# KiCad board AmigaPCI Mainboard.kicad_pcb (continued)
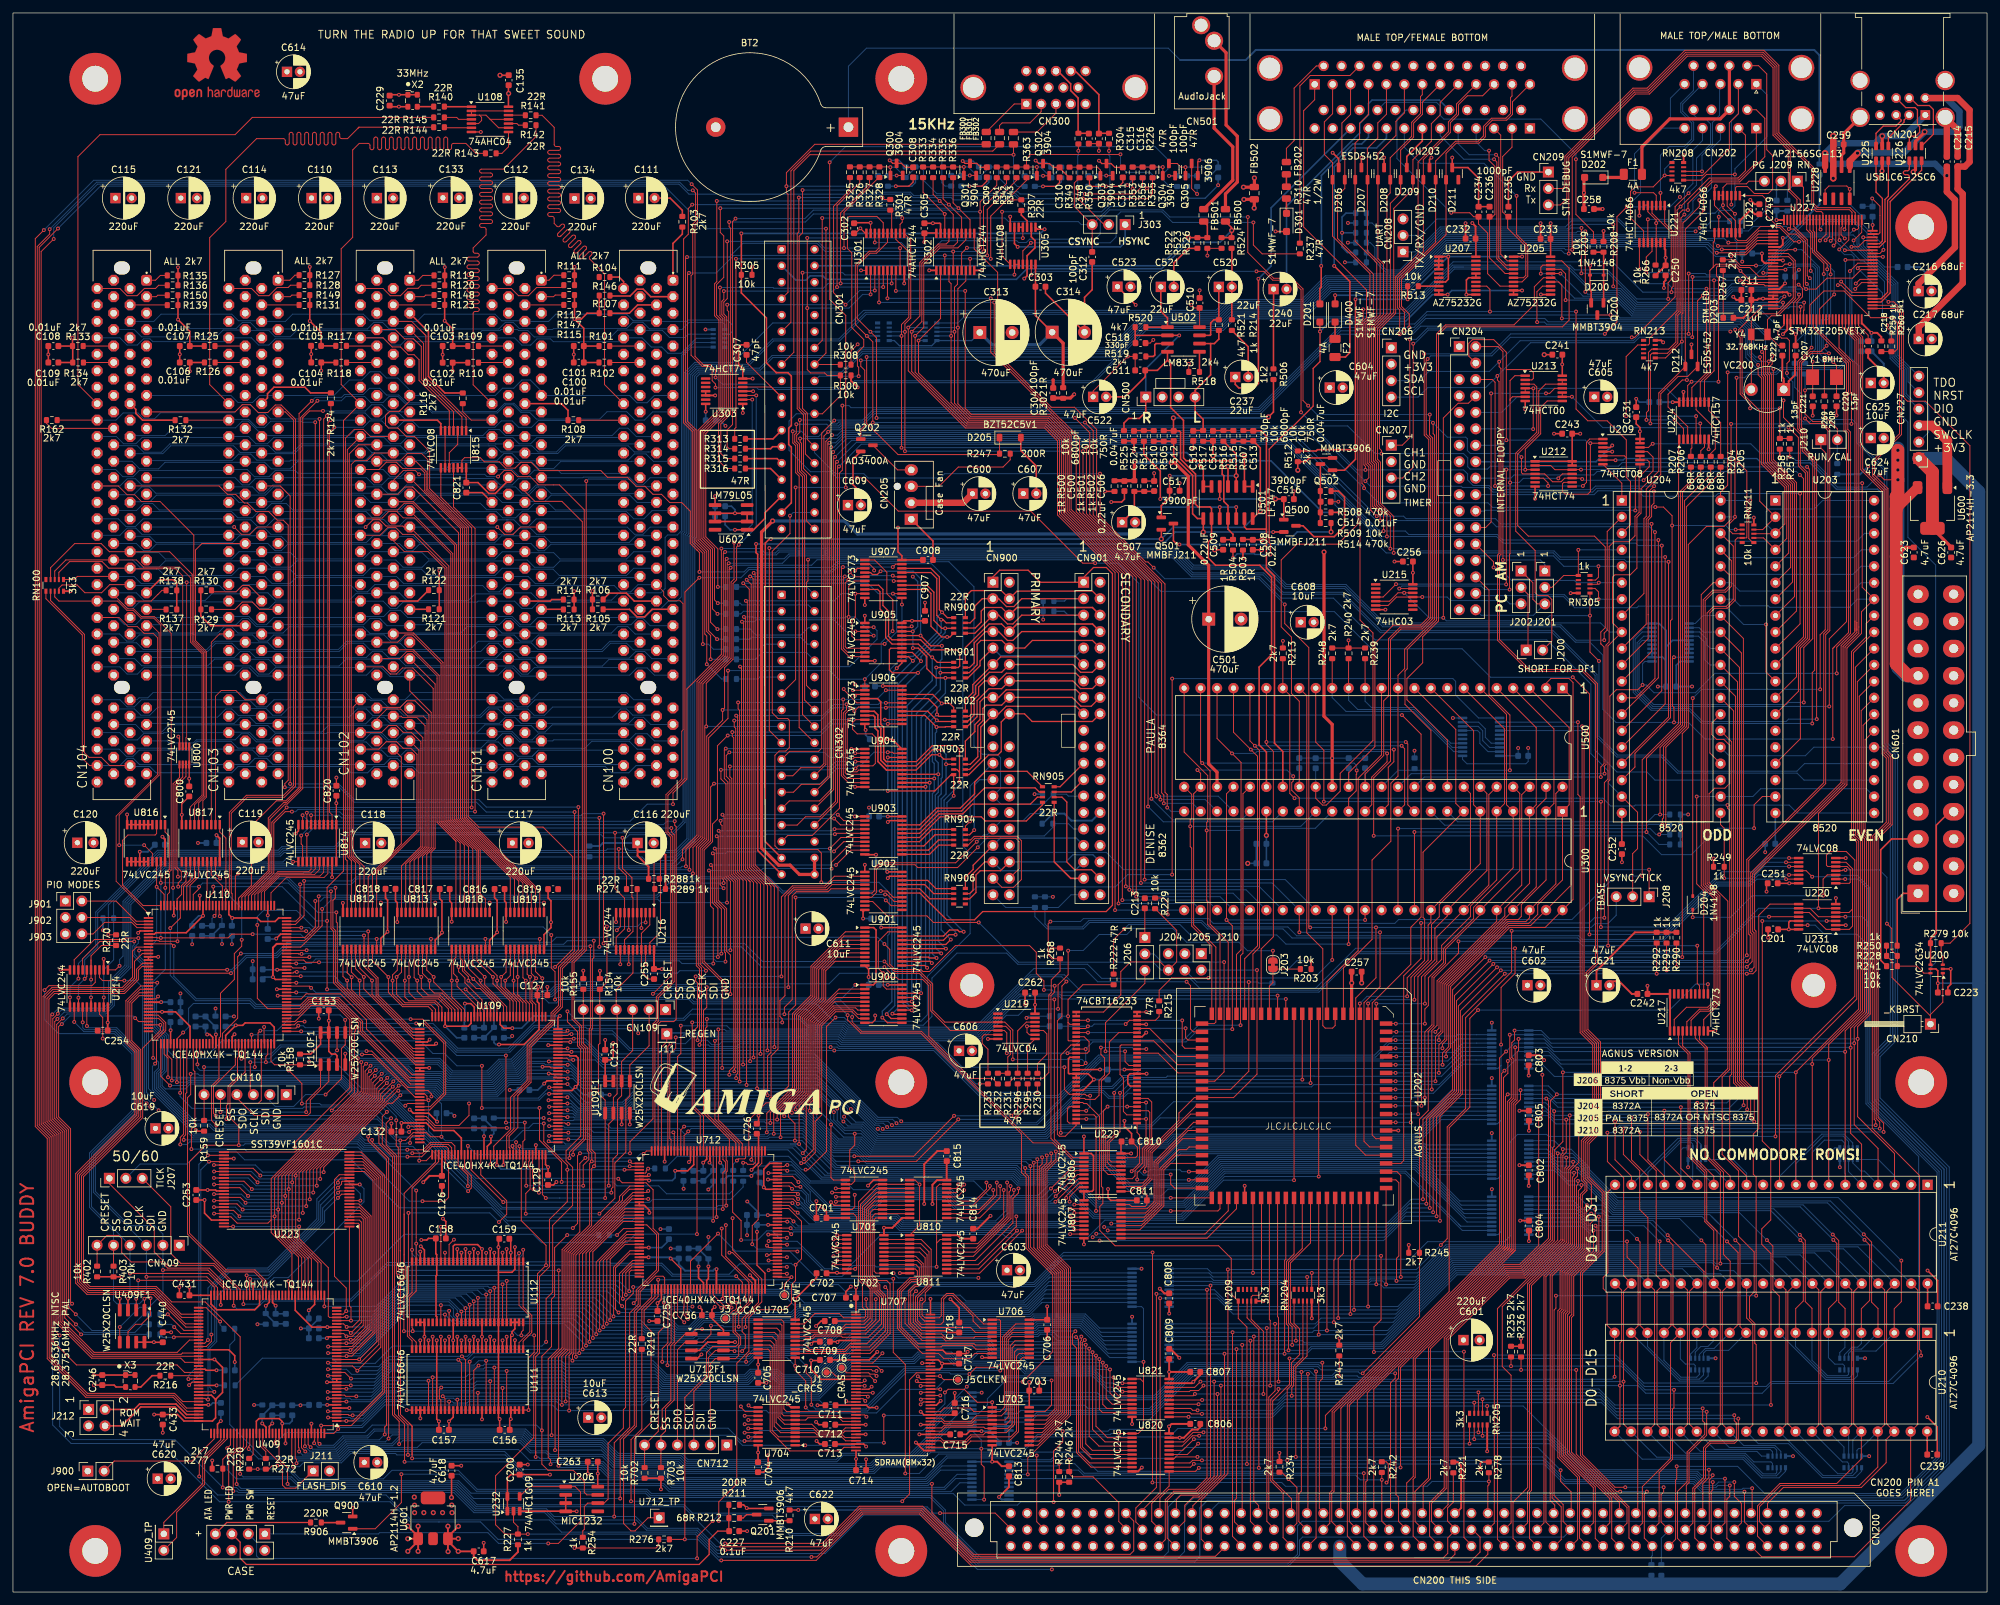
[diagram p0: board, top side]
## Nets (continued)
LVD25: U109.99 U223.32 U409.39 U702.12 U823.3 U904.5 U906.9
LVD26: U109.101 U223.34 U409.41 U702.13 U823.4 U904.7 U906.15
LVD27: U109.102 U223.36 U409.42 U702.14 U823.5 U904.9 U906.19
LVD28: U109.104 U223.39 U409.43 U702.15 U823.6 U905.2 U907.2
LVD29: U109.105 U223.41 U409.44 U702.16 U823.7 U905.4 U907.6
LVD30: U109.106 U223.43 U409.45 U702.17 U823.8 U905.6 U907.12
LVD31: U109.107 U223.45 U409.47 U702.18 U823.9 U905.8 U907.16
LVDRA0-G: U712.102 U806.7
LVDRA1-0: U712.101 U806.8
LVDRA2-1: U712.99 U806.9
LVDRA3-2: U712.98 U807.2
LVDRA4-3: U712.97 U807.3
LVDRA5-4: U712.96 U807.4
LVDRA6-5: U712.95 U807.5
LVDRA7-6: U712.91 U807.6
LVDRA8-7: U712.90 U807.7
LVDRA9-8: U712.106 U806.4
LVOVL: U409.83 U814.11
LVPARITY: U110.144 U816.3
LVSIZ0: U110.17 U712.2 U809.8
LVSIZ1: U110.18 U712.1 U808.2
LVTM0: U409.136 U808.3
LVTM1: U409.137 U808.6
LVTM2: U409.141 U808.9
LVTT0: U110.31 U409.138 U808.7
LVTT1: U110.32 U409.139 U808.8
M0H: R204.2 R311.2 U300.9
M0V: R205.2 R309.2 U300.38
M1H: R206.2 R303.2 U300.8
M1V: R207.2 R312.2 U300.39
OVL: U204.2 U814.9
PAR: CN100.A43 CN101.A43 CN102.A43 CN103.A43 CN104.A43 U816.17
PAR_DA: U109.15 U110.83
PARITYDIR: U109.34 U816.1
PBUSY: CN203.11 CN302.18 D210.1 RN211.9 U203.2 U203.39
PCI0: U109.41 U110.47
PCIAT0: U109.42 U110.44
PCIAT1: U109.43 U110.45
PCIAT2: U109.45 U110.61
PCIBUFDIR: U109.28 U812.1 U813.1 U818.1 U819.1
PCIDIR: U109.39 U111.1 U111.28 U112.1 U112.28
PCS0: U110.25 U409.75
PCS1: U110.24 U409.76
PIXELSW: CN301.30 R301.1
PORTSIZE: CN200.a8 U409.135
PotX0: C205.1 U221.4 U227.29 U500.32
PotX1: C203.1 CN202.14 U227.81 U500.35
PotY0: C204.1 U221.1 U227.30 U500.33
PotY1: C202.1 CN202.18 U227.88 U500.36
POW_SW: CN_CASE1.3 U227.80
PPD0: CN203.2 CN302.23 D206.1 U204.10
PPD1: CN203.3 CN302.24 D206.2 U204.11
PPD2: CN203.4 CN302.25 D207.1 U204.12
PPD3: CN203.5 CN302.26 D207.2 U204.13
PPD4: CN203.6 CN302.27 D208.1 U204.14
PPD5: CN203.7 CN302.28 D208.2 U204.15
PPD6: CN203.8 CN302.29 D209.1 U204.16
PPD7: CN203.9 CN302.30 D209.2 U204.17
PPDMA: U110.8 U800.5
PPIO: U110.16 U409.87
PPOUT: CN203.12 CN302.16 D210.2 RN211.8 U203.3 U203.40
PR_W: U202.22 U712.119
PS_ON: R279.1 U200.3 U227.83
PSEL: CN203.13 CN302.21 D211.1 Q200.3 RN211.7 U203.4
PSTROBE: CN203.1 CN301.36 RN211.2 U204.18
PWR_LED: C227.1 CN_CASE1.5 R211.1 R212.2
R0: R317.2 R328.1 U301.9
R1: R318.2 R327.1 U301.7
R2: R319.2 R326.1 U301.5
R3: R316.2 R325.1 U301.3
R_W: CN200.b19 R245.2 U201.1 U217.13 U227.36 U808.16
R_WB: U409.142 U701.1 U702.1 U703.1 U704.1 U712.144 U808.4 U808.15
R_WC: U109.17 U110.80 U808.5
RAMCLK: R219.2 U707.68
RAWLEFT: C513.1 CN302.33 Q501.2 R507.1 R515.1 U501.14
RAWRIGHT: C512.1 CN302.35 Q500.2 R505.1 R510.1 U501.8
RED: CN301.7 FB300.2 R332.2
RESET_BTN: CN_CASE1.1 U206.1 U232.4
RGA1: U202.33 U300.17 U500.26
RGA2: U202.32 U300.16 U500.25
RGA3: U202.31 U300.15 U500.24
RGA4: U202.30 U300.14 U500.23
RGA5: U202.29 U300.13 U500.22
RGA6: U202.28 U300.12 U500.21
RGA7: U202.27 U300.11 U500.20
RGA8: U202.26 U300.10 U500.19
SCL: CN200.c40 CN206.4 R280.1 U227.69
SCLKA: R282.1 U214.8 U214.11 U216.8 U216.11
SCLKB: CN200.a5 R284.1
SCS0: U110.23 U409.78
SCS1: U110.22 U409.79
SDA: CN200.b41 CN206.3 R281.2 U227.77
SDIA: R283.1 U214.6 U214.13 U216.6 U216.13
SDIB: CN200.c5 R285.1
SDOA: R270.2 R271.2 U227.1
SDOB: CN200.b5 U227.43
SIZ0: CN200.c23 R244.2 U809.12
SIZ1: CN200.a24 R243.2 U808.18
SPIO: U110.15 U409.88
ST0: U227.31 U409.104
ST1: U227.32 U409.105
SYNC: CN301.28 R352.2
TBASE: CN302.14 J208.2 U204.19
TICK50: J207.1 U409.64
TICK60: J207.3 U409.63
TM0: CN200.a19 U808.17
TM1: CN200.c19 U808.14
TM2: CN200.a20 U808.11
TT0: CN200.c39 R236.2 U808.13
TT1: CN200.b40 R235.2 U808.12
U109_SCK: CN109.3 U109.70 U109F1.6 U216.9
U109_SDI: CN109.2 U109.67 U109F1.5 U216.7
U109_SDOA: CN109.4 U109.68 U109F1.2 U216.15
U109_SS: CN109.5 R154.2 U109.71 U109F1.1 U216.3
U110_SCK: CN110.3 U110.70 U110F1.6 U214.9
U110_SDI: CN110.2 U110.67 U110F1.5 U214.7
U110_SDOA: CN110.4 U110.68 U110F1.2 U214.15
U110_SS: CN110.5 R158.2 U110.71 U110F1.1 U214.3
UDB0: U701.9 U705.9 U707.2 U810.2
UDB1: U701.8 U705.8 U707.4 U810.3
UDB2: U701.7 U705.7 U707.5 U810.4
UDB3: U701.6 U705.6 U707.7 U810.5
UDB4: U701.5 U705.5 U707.8 U810.6
UDB5: U701.4 U705.4 U707.10 U810.7
UDB6: U701.3 U705.3 U707.11 U810.8
UDB7: U701.2 U705.2 U707.13 U810.9
UDB8: U702.9 U706.2 U707.85 U811.2
UDB9: U702.8 U706.3 U707.83 U811.3
UDB10: U702.7 U706.4 U707.82 U811.4
UDB11: U702.6 U706.5 U707.80 U811.5
UDB12: U702.5 U706.6 U707.79 U811.6
UDB13: U702.4 U706.7 U707.77 U811.7
UDB14: U702.3 U706.8 U707.76 U811.8
UDB15: U702.2 U706.9 U707.74 U811.9
USB1+: U225.1 U227.71
USB1-: U225.3 U227.70
USB2+: U226.1 U227.54
USB2-: U226.3 U227.53
USB5VEN: R265.1 U227.68 U228.1 U228.4
VCDAC: CN302.15 R230.1 U303.3
Vref: C506.1 C507.1 R501.2 R502.1 U501.10 U501.12
XCLK: R307.2 U409.93
Net-(BT2-+): BT2.1 R201.1
Net-(C237-Pad2): C237.2 R214.2
Net-(C315-Pad1): C315.1 CN300.13 R304.1
Net-(C316-Pad1): C316.1 CN300.14 R226.1
Net-(C515-Pad2): C515.2 R515.2 R516.1
Net-(C520-Pad1): C520.1 R521.2 U502.7
Net-(C521-Pad1): C521.1 R520.2 U502.1
Net-(C521-Pad2): C521.2 R522.2
Net-(C524-Pad2): C524.2 R510.2 R511.1
Net-(CN100-_PRSNT1): CN100.B9 R101.1
Net-(CN100-_PRSNT2): CN100.B11 R102.1
Net-(CN100-_TRST): CN100.A1 R103.1
Net-(CN100-TCK): CN100.B2 R104.2
Net-(CN101-_PRSNT1): CN101.B9 R109.1
Net-(CN101-_PRSNT2): CN101.B11 R110.1
Net-(CN101-_TRST): CN101.A1 R111.1
Net-(CN101-TCK): CN101.B2 R112.2
Net-(CN102-_PRSNT1): CN102.B9 R117.1
Net-(CN102-_PRSNT2): CN102.B11 R118.1
Net-(CN102-_TRST): CN102.A1 R119.1
Net-(CN102-TCK): CN102.B2 R120.2
Net-(CN103-_PRSNT1): CN103.B9 R125.1
Net-(CN103-_PRSNT2): CN103.B11 R126.1
Net-(CN103-_TRST): CN103.A1 R127.1
Net-(CN103-TCK): CN103.B2 R128.2
Net-(CN104-_PRSNT1): CN104.B9 R133.1
Net-(CN104-_PRSNT2): CN104.B11 R134.1
Net-(CN104-_TRST): CN104.A1 R135.1
Net-(CN104-TCK): CN104.B2 R136.2
Net-(CN203-Pad34): CN203.34 F2.2
Net-(CN300-Pad1): CN300.1 FB300.1
Net-(CN300-Pad2): CN300.2 FB301.1
Net-(CN300-Pad3): CN300.3 FB302.1
Net-(CN301-Pad23): CN301.23 R313.1
Net-(CN301-Pad25): CN301.25 R314.1
Net-(CN301-Pad27): CN301.27 R315.1
Net-(CN301-Pad29): CN301.29 R316.1
Net-(CN301-Pad33): CN301.33 R305.1 U305.1
Net-(CN302-Pad2): CN302.2 R317.1
Net-(CN302-Pad3): CN302.3 R318.1
Net-(CN302-Pad4): CN302.4 R319.1
Net-(CN302-Pad6): CN302.6 R320.1
Net-(CN302-Pad7): CN302.7 R321.1
Net-(CN302-Pad8): CN302.8 R322.1
Net-(CN302-Pad10): CN302.10 R323.1
Net-(CN302-Pad11): CN302.11 R324.1
Net-(CN500-Pin_1): C518.2 CN500.1 R520.1 R525.2 U502.2
Net-(CN500-Pin_4): C519.2 CN500.4 R517.2 R521.1 U502.6
Net-(CN501-PadR): CN501.R FB501.2
Net-(CN501-PadT): CN501.T FB500.2
Net-(CN601-PS_ON#): CN601.16 R279.2 U200.4
Net-(D200-K): D200.1 Q200.1 R208.1 R209.2
Net-(D201-A): CN203.35 D201.2
Net-(D202-K): D202.1 F1.1
Net-(D203-K): D203.1 R267.1
Net-(D204-K): D204.1 U220.3
Net-(D301-K): D301.1 R310.2
Net-(D400-K): D400.1 F2.1
Net-(FB202-Pad1): FB202.1 R310.1
Net-(J206-A): C213.1 J206.1
Net-(J210-B): J210.2 R224.2 R269.2
Net-(J211-Pin_1): J211.1 U409.125
Net-(J212-Pin_2): J212.2 U409.106
Net-(J212-Pin_4): J212.4 U409.107
Net-(J303-A): J303.1 U305.6
Net-(J303-C): J303.2 R304.2
Net-(J712_TP0-Pin_1): J712_TP0.1 U712.37
Net-(Q201-B): Q201.1 R210.2
Net-(Q201-C): Q201.3 R211.2
Net-(Q300-B): Q300.1 R325.2 R326.2 R327.2 R328.2 R329.2 R330.1 R355.1
Net-(Q300-E): Q300.2 R331.1 R332.1
Net-(Q301-B): Q301.1 R333.2 R334.2 R335.2 R336.2 R337.2 R338.1 R356.1
Net-(Q301-E): Q301.2 R339.1 R340.1
Net-(Q302-B): Q302.1 R341.2 R342.2 R343.2 R344.2 R345.1 R354.1 R363.2
Net-(Q302-E): Q302.2 R346.1 R347.1
Net-(Q303-B): Q303.1 R348.2 R349.2 R350.1
Net-(Q303-E): Q303.2 R351.1 R352.1
Net-(Q304-B): Q304.1 R353.2 R354.2 R355.2 R356.2 R357.2 R358.1
Net-(Q304-C): Q304.3 Q305.1 R359.2
Net-(Q304-E): Q304.2 R360.2 R361.1 R362.1
Net-(Q305-C): Q305.3 R360.1
Net-(Q500-G): Q500.3 R508.1
Net-(Q500-S): C516.1 Q500.1 R511.2 U501.5
Net-(Q501-G): Q501.3 R514.1
Net-(Q501-S): C517.1 Q501.1 R516.2 U501.3
Net-(Q502-B): Q502.1 R512.2 R513.2
Net-(Q502-C): C514.1 Q502.3 R508.2 R509.1 R514.2
Net-(Q900-C): Q900.3 R906.1
Net-(R141-Pad2): R141.2 U108.12
Net-(R142-Pad2): R142.2 U108.10
Net-(R143-Pad2): R143.2 U108.8
Net-(R144-Pad2): R144.2 U108.6
Net-(R145-Pad2): R145.2 U108.4
Net-(R226-Pad2): R226.2 U305.8
Net-(R230-Pad2): R230.2 U219.10
Net-(R231-Pad2): R231.2 R232.2 U219.4
Net-(R233-Pad2): R233.2 U219.6
Net-(R295-Pad2): R295.2 U219.8
Net-(R296-Pad2): R296.2 U219.12
Net-(R307-Pad1): R307.1 U305.3
Net-(RN904A-R1.1): RN904.1 U903.14
Net-(RN904B-R2.1): RN904.2 U903.13
Net-(RN904C-R3.1): RN904.3 U903.12
Net-(RN904D-R4.1): RN904.4 U903.11
Net-(RN905A-R1.1): RN905.1 U903.18
Net-(RN905B-R2.1): RN905.2 U903.17
Net-(RN905C-R3.1): RN905.3 U903.16
Net-(RN905D-R4.1): RN905.4 U903.15
Net-(U108-Pad11): U108.2 U108.3 U108.5 U108.9 U108.11 U108.13
Net-(U109-GNDPLL0): C136.2 C137.2 U109.53
Net-(U109-GNDPLL1): C138.2 C139.2 U109.127
Net-(U109-VCCPLL0): C136.1 C137.1 R157.1 U109.54
Net-(U109-VCCPLL1): C138.1 C139.1 R156.1 U109.126
Net-(U110-GNDPLL0): C149.2 C150.2 U110.53
Net-(U110-GNDPLL1): C151.2 C152.2 U110.127
Net-(U110-VCCPLL0): C149.1 C150.1 R161.1 U110.54
Net-(U110-VCCPLL1): C151.1 C152.1 R160.1 U110.126
Net-(U214-1Y1): R270.1 U214.5 U214.16
Net-(U216-1Y1): R271.1 U216.5 U216.16
Net-(U220-Pad6): U220.6 U231.1 U231.5 U231.10
Net-(U227-PE0): R282.2 R284.2 U227.97
Net-(U227-PE1): R283.2 R285.2 U227.98
Net-(U227-VCAP_1): C218.1 U227.49
Net-(U227-VCAP_2): C219.1 U227.73
Net-(U301-1Y2): R301.2 U301.14
Net-(U409-GNDPLL0): C438.2 C439.2 U409.53
Net-(U409-GNDPLL1): C436.2 C437.2 U409.127
Net-(U409-IO0_190): R220.1 U409.122
Net-(U409-IO0_191): R272.1 U409.124
Net-(U409-IO1_109): R293.1 U409.73
Net-(U409-IO1_116): R273.1 U409.80
Net-(U409-IO1_117): R274.1 U409.81
Net-(U409-IO1_118): R275.1 U409.82
Net-(U409-IO1_147): R217.2 U409.97
Net-(U409-VCCPLL0): C438.1 C439.1 R401.2 U409.54
Net-(U409-VCCPLL1): C436.1 C437.1 R400.1 U409.126
Net-(U501A--): C515.1 R517.1 U501.1 U501.2
Net-(U501B--): C524.1 R525.1 U501.6 U501.7
Net-(U502A-+): R519.1 U502.3
Net-(U502B-+): R518.1 U502.5
Net-(U712-GNDPLL0): C730.2 C735.2 U712.53
Net-(U712-GNDPLL1): C728.2 C729.2 U712.127
Net-(U712-IO0_169): R251.1 U712.112
Net-(U712-IO0_172): R252.1 U712.115
Net-(U712-IO2_57): R219.1 U712.38
Net-(U712-IO3_3B): R253.2 U712.4
Net-(U712-IO3_14A_GBIN6): R218.1 U712.21
Net-(U712-VCCPLL0): C730.1 C735.1 R701.2 U712.54
Net-(U712-VCCPLL1): C728.1 C729.1 R700.1 U712.126
Net-(U815-Pad6): U815.6 U815.9
Net-(U815-Pad10): U815.3 U815.10
Net-(X2-OUT): R140.2 X2.3
Net-(X3-OUT): R216.2 X3.3

Pads without a net: CN100 A9 A11 A14 A19 B4 B10 B14; CN101 A9 A11 A14 A19 B4 B10 B14; CN102 A9 A11 A14 A19 B4 B10 B14; CN103 A9 A11 A14 A19 B4 B10 B14; CN104 A9 A11 A14 A19 B4 B10 B14; CN200 a6 a7 b4 b7 b48 b49 b50 c48; CN203 15 37 38 39 40 41 42 44 46 48 49 50; CN300 4 9 11 12 15; CN301 1 2 5 35; CN601 8 20; CN900 21 29 32 34; CN901 21 29 32 34; D211 2; RN100 10; RN101 3 4 5; RN200 10; RN201 10; RN202 10; RN203 10; RN204 2 8 9 10; RN205 5; RN206 10; RN207 10; RN208 1 2 3 5 9; RN209 2 6 7 8 9 10; RN211 1 5; RN213 1 3 4 5 9; RN301 10; RN302 1 4 5 6 7; RN305 5 7 8 9; RN906 4 5; U109 35 36 50 51 58 77 109 133; U110 19 20 28 29 35 36 50 51 52 58 64 77 82 109 128 133 141; U112 23 24 33 34; U203 15 16 18; U205 12; U206 5; U207 5 6 12 14 17 18 19; U208 5 6 15 16; U210 1; U211 1; U212 6 8; U215 1 2 3 8 9 10; U217 14 15 16 17 18 19; U219 1 2; U222 10 11; U223 10 13 47; U227 38 39 40 41 42 57 58 61 62 99; U228 2 3; U229 8 9 11 12 16 17 46 47; U303 6 8 9 10 13; U409 35 36 49 50 51 52 58 74 77 91 98 109 128 133; U602 4 8; U707 14 30 57 70 73; U712 35 36 50 51 58 63 77 93 109 133; U809 2 3 4 16 17 18; U817 4 9 11 16; U902 9 11

## Via types
v1: diameter 0.6, hole 0.3, Top to Bottom, 2384 vias
v2: diameter 0.8, hole 0.4, Top to Bottom, 52 vias
v3: diameter 0.9, hole 0.5, Top to Bottom, 11 vias

## Routing (per net, layer and track width the routed paths; a pad name or vN(x,y) marks a point on that pad's centre or on a via; arc(x,y) is an arc through that point)
+1V2: length 544.2
  Top w0.15: U227.26 273.45,195.63 272.5,194.69 272.5,194.2 273.08,193.63 273.91,193.63 274.28,193.26 274.28,190.1 273.9,189.72 v1(273.9,188.24)
  Top w0.25: v1(98.16,53.19) 98.15,53.2 U712.27 ; U110.40 v1(24.34,86.74) ; U712.92 v1(116.55,58.2) ; v1(48.47,39.2) 48.68,39.41 U409.27 ; U409.111 31.58,25.93 32.06,26.41 v1(32.09,26.41) 32.09,26.44 32.09,26.43 ; v1(61.25,74.49) 61.81,73.94 U109.27 64.18,73.94 v1(65.49,72.63) ; v2(61.97,14.66) 61.99,14.68 ; v1(75.05,84.55) 78.92,84.55 81.23,86.86 U109.111 81.23,90.9 80.96,91.17 C127.1 80.96,92.92 81.12,93.08 v1(81.12,93.46) ; v1(82.02,78.51) 82.45,78.94 U109.92 ; v1(114.03,65.19) 114.03,65.19 115.12,66.27 U712.111 115.12,70.74 ; v2(67.71,14.6) 67.72,14.61 C618.2 ; v1(31.43,34.25) 29.82,34.25 29.66,34.41 U409.92 ; U110.111 v1(39.34,104.5) ; U712.40 100.12,45.2 v1(99.53,44.61) C725.1 ; U110.92 v1(40.79,96.09) ; U409.40 46.58,44.41 v1(45.68,43.51)
  Top w0.3: U110.27 22.87,91.09 v1(22.88,91.1) ; v1(63.35,63.28) 64.33,64.26 C126.1 U109.40
  In2.Cu w2: CN200.c1 151.98,5.01 145.33,5.01 ; 145.33,5.01 145.33,3.52 142.81,1 132.77,1 130.51,3.26 80.6,3.26 ; 145.33,5.01 145.33,14.2 147.85,16.72 165.17,16.72 166.73,15.16 182.65,15.16 184.54,13.27 CN200.a13
  Bottom w0.15: v1(273.9,188.24) 273.9,187.77 274.81,186.86 274.81,182.29 276.42,180.69 277.44,180.69 277.81,181.06 284.01,181.06 284.7,180.37 284.7,177.45 288.93,173.22 288.93,131.05 290.62,129.36 290.62,85.53 287.88,82.79 287.88,76.13 298.57,65.44 298.57,20.09 292.23,13.75 186.12,13.75 CN200.a13
  Bottom w0.25: R157.2 81.94,73.19 v1(81.94,73.2) ; v1(82.02,78.51) 81.04,77.53 C125.1 ; v1(37.75,41.35) 39.02,41.35 ; v1(48.47,39.2) C430.1 ; 45.69,42.24 45.69,43.51 ; R701.1 107.38,54.82 v1(107.38,54.83) ; R400.2 v1(37.23,28.89) ; v1(39.34,104.5) C141.1 ; 101.28,54.31 100.16,53.19 v1(98.16,53.19) ; v1(107.37,62.16) 108.12,62.91 R700.2 ; v1(113.38,60.31) 114.88,58.85 C724.1 ; 32.7,34.25 31.43,34.25 ; v1(32.28,100.07) 32.27,100.08 R160.2 ; R156.2 74.27,84.84 74.56,84.55 v1(75.05,84.55) ; v1(40.79,96.09) 38.63,96.09 ; v1(31.28,90.11) 31.27,90.1 R161.2 ; v1(116.55,58.2) 114.9,58.2 ; v1(65.49,72.63) 65.49,73.84 ; C420.1 32.1,26.42 ; v1(24.34,86.74) 24.34,88
  Bottom w0.3: v1(22.88,91.1) 24.31,91.1
  vias: v2(62.01,13.41) v2(62.01,12.26) v2(63.44,12.26) v2(64.9,12.26) v2(66.33,12.26) v2(67.75,13.43) v2(67.79,12.26)
+3V3: length 910.7
  Top w0.15: v1(139.44,46.46) 139.01,46.03 139.01,41.66 140.32,40.35 U707.81 ; 206.21,145.77 v1(206.21,146.96) ; 206.21,145.77 203.68,145.77 ; 206.21,145.77 208.76,145.77 ; v1(130.42,192.67) 129.39,191.64 R308.2 ; R276.1 99.7,7.21 99.29,6.8 R254.2 ; v1(130.18,20.55) 130.17,20.56 ; 196.07,145.72 196.07,146.86 ; U707.3 131.41,41.85 132,42.44 132,43.8 131.74,44.06 v1(131.74,45.22)
  Top w0.2: R254.2 v1(86.7,6.8) ; U800.1 U800.8 v1(27.21,125.61) C800.2 ; v1(101.55,51.5) 103.12,49.93 U712.46 ; U712.72 116.12,49.23 114.88,50.47 v1(114.88,55.62) ; 49.93,122.94 v1(49.93,121.81) U814.20
  Top w0.25: X2.4 X2.1 59.61,231.21 v1(59.6,231.2) 59.59,231.21 58.29,231.21 ; v1(130.18,20.55) 130.17,20.55 C714.1 ; C108.1 R133.2 9.19,193.69 v1(9.19,193.69) ; v1(129.99,119.77) 130,119.76 U903.1 ; 48.76,86.39 48.76,83.49 49.18,83.08 49.79,83.08 50.03,82.83 U110F1.3 ; 48.76,86.39 48.76,88.21 v1(48.77,88.22) 48.76,88.22 48.76,89.82 ; 48.76,86.39 U110F1.8 47.5,84.59 45.97,83.07 R158.1 ; v1(84.45,88.96) 84.14,88.66 U109.108 ; 31.29,29.54 31.29,29.74 30.62,30.41 U409.100 ; 31.29,29.54 31.29,26.9 30.8,26.41 U409.108 26.4,26.41 25.4,27.41 C433.1 v1(21.8,27.41) ; 31.29,29.54 31.29,29.75 32.36,30.82 32.36,34.69 31.14,35.91 31.12,35.91 v1(31.11,35.92) 31.1,35.91 U409.89 ; C100.1 C101.1 ; C101.1 R101.2 ; C101.1 88.14,195.14 v1(86.7,196.58) ; C709.1 127.25,38.66 v1(127.31,38.6) 127.56,38.85 U707.9 ; v1(98.22,63.55) 98.07,63.7 U712.6 ; 65.43,37.5 65.43,38.87 ; 76.5,171.66 74.48,169.64 73.48,169.64 71.8,171.32 C821.2 69.99,173.58 ; 62.9,51.05 62.9,52.57 v1(62.89,52.57) ; U409.30 v1(48.54,40.91) 46.17,40.91 43.58,43.5 U409.46 ; 91.44,82.17 U109F1.8 U109F1.7 ; v1(129.46,130.18) 131.53,130.18 ; U818.20 73.59,100.66 74.75,101.81 v1(74.75,101.88) 74.75,106.82 74.36,107.21 C816.1 ; U110.89 40.52,94.59 v1(40.15,94.96) ; U109.57 v1(74.73,65.94) ; U111.22 U111.35 65.44,26.69 v1(65.77,26.35) C157.1 ; U707.3 C708.1 ; v1(130.16,47.02) C707.1 U707.1 ; v1(89.47,154.56) 89.47,154.55 R105.1 ; v1(139.95,24.35) U707.49 144.7,24.35 ; R125.2 C107.1 27.31,194.67 v1(25.49,196.49) 25.48,196.5 R139.1 R150.1 ; 171.08,69.5 171.08,67.72 172.63,67.72 v1(172.64,67.73) ; v1(108.35,44.03) 107.93,43.6 C736.2 107.93,42.26 109.7,40.49 U712F1.8 ; 272.36,102.33 v1(274.19,102.33) ; v1(274.19,102.33) 275.74,102.33 ; v1(274.19,102.33) 274.19,103.43 274.39,103.63 U231.12 ; U813.20 65.19,100.68 66.24,101.73 v1(66.24,101.84) 66.24,106.71 65.89,107.06 C817.1 ; U220.14 v1(274.27,109.44) 272.49,109.44 ; U707.75 143.56,37.35 144.09,36.82 C717.1 147.14,36.82 v1(147.41,37.09) ; U109.72 82.23,66.01 v1(82.62,65.62) C129.1 ; 65.81,157.71 65.76,157.76 v1(65.83,157.76) 65.83,157.69 65.82,157.7 R122.1 R121.1 ; U409.6 48.53,28.91 v1(48.52,28.9) ; 18.84,33.51 C246.1 v1(12.47,33.51) ; v1(63.04,54.37) 63.91,54.37 64.15,54.61 C158.1 65.29,52.25 65.43,52.11 65.43,51.04 ; R134.2 9.23,192.37 ; C908.1 137.26,159.38 ; 66.66,198.74 v1(66.66,196.29) 67.89,195.06 C103.1 R109.2 ; U112.22 65.44,48.93 65.32,48.81 65.32,42.62 65.44,42.5 U112.35 ; U109.123 75.23,87.63 75.79,87.07 v1(77.09,87.07) ; v1(135.08,119.76) 135.08,119.76 U903.20 ; R117.2 C105.1 47.57,194.53 v1(45.83,196.27) R131.1 R149.1 ; 49.84,189.86 C104.1 v1(47.6,188.6) ; U111.3 v1(77.5,38.89) ; v1(21.75,38.59) 20.31,38.59 ; C431.1 v1(27.25,47.07) ; C718.1 144.28,40.08 144.01,40.35 U707.81 ; C109.1 9.22,189.86 ; 28.31,62.08 v1(30.05,62.08) 31.28,62.08 31.42,61.94 U223.37 ; R250.2 290.93,106.95 291.86,107.89 CN601.1 ; v1(111.48,38.6) 111.47,38.58 U712F1.7 107.26,38.58 105.99,37.31 U712F1.3 ; R402.1 15.53,48.68 ; R148.1 R123.1 ; U109F1.3 93.97,72.21 v1(93.98,72.21) ; 74.96,49.38 77.04,49.38 77.5,49.84 U112.3 v1(77.5,53.26) ; 74.96,49.38 U112.7 ; 74.96,49.38 U112.50 U111.7 U111.50 74.96,26.9 v1(75.15,26.71) C156.1 ; U109.89 86.3,77.44 v1(86.87,78.01) 87.26,78.4 87.26,82.46 86.93,82.79 85.98,82.79 85.83,82.94 U109.100 ; U905.1 v1(131.53,150.76) ; U712.108 116.83,66.2 115.93,65.3 v1(115.93,62.49) 116.22,62.2 U712.100 ; R403.1 16.79,48.68 v1(16.8,48.67) ; U819.20 81.99,101.51 83.07,102.59 v1(83.07,103.44) 83.07,106.73 82.62,107.18 C819.1 ; 127.01,28.85 U707.29 131.77,28.85 132.14,28.48 v1(133.35,28.48) ; v1(69.78,90.87) 70.68,90.87 71.23,90.32 U109.131 ; v1(131.73,22.47) 131.36,22.85 U707.41 C713.1 ; U110.6 21.84,101.59 22.06,101.81 26.74,101.81 v1(29.35,104.42) 29.34,104.43 U110.131 ; R130.1 R129.1 29.01,150.73 30.53,149.21 CN103.B43 ; v1(169.08,62.23) 169.08,60.9 169.5,60.49 U807.20 173.52,60.49 ; v1(100.05,15.87) R703.1 R702.1 ; 102.28,65.05 104.18,65.05 105.12,65.99 U712.131 ; R146.1 R107.1 88.65,197.48 87.75,196.58 v1(86.7,196.58) ; U901.20 134.07,102.6 v1(134.06,102.61) ; C703.1 v1(156.91,32.42) ; C705.1 v1(115.06,35.13) 115.06,36.18 ; v1(52.45,12.99) 52.46,12.98 Q900.2 ; U110.108 41.02,104.09 40.48,103.55 38.26,103.55 37.72,104.09 v1(33.86,104.09) 33.34,104.61 U110.123 ; 115.04,22.66 115.04,21.56 v1(115.05,21.55) 115.04,21.54 C704.1 ; 62.88,37.5 62.88,38.87 ; U110.46 27.34,87.36 25.11,89.59 v1(23.02,89.59) U110.30 ; 76.5,232.67 76.5,231.43 v2(76.53,231.4) 76.5,231.37 76.5,229.37 ; v1(135.08,93.77) 135.09,93.76 U900.20 ; R155.1 v1(88.06,95.95) ; R147.1 R115.1 v1(86.7,196.58) ; U409.131 v1(41.58,26.02) 41.58,26.32 41.12,26.78 37.97,26.78 37.58,26.39 U409.123 ; C440.2 21.78,38.57 ; 281.46,102.98 v1(282.98,102.98) ; U110.57 32.84,85.95 v1(34.4,87.51) 35.47,87.51 35.84,87.88 39.69,87.88 40.34,87.23 U110.72 ; v1(134.99,111.21) 137.24,111.21 ; 126.16,35.85 U707.15 132.21,35.85 v1(133.45,37.09) ; v1(109.19,66.3) 109.12,66.38 U712.123 ; U409.57 38.08,44.35 37.32,43.59 31.47,43.59 30.58,44.48 U409.72 29,45.82 28.99,45.83 28.98,45.82 27.25,45.82 ; v1(135.08,131.69) 135.74,131.69 U904.20 ; R154.1 v1(90.62,95.93) ; U409F1.3 17.76,45.3 ; v1(65.33,84.69) 65.08,84.44 U109.6 ; 67.17,6.26 67.16,6.27 v2(67.18,6.25) ; R113.1 v1(86.64,154.55) ; R159.1 28.43,71.17 v1(28.23,71.37) ; C818.1 57.52,107.31 57.53,107.3 57.53,107.14 57.84,106.83 57.84,101.97 v1(57.83,101.96) 56.81,100.94 U812.20 ; v1(131.66,25.84) 131.65,25.85 U707.35 126.97,25.85 ; v1(27.3,188.51) 27.31,188.52 C106.1 R126.2 ; C907.1 138.82,149.96 v1(138.82,149.97) 137.58,149.97 U905.20 ; C706.1 v1(159.69,44.11) ; R102.2 88.14,189.86 ; R137.1 R138.1 25.29,155.77 24.75,156.31 22.64,156.31 CN104.A39 ; v1(67.9,188.55) 67.89,188.56 C102.1 R110.2 ; U906.20 v1(134.31,139.91) ; v1(92.68,84.78) 92.68,82.6 92.26,82.18 C123.2 ; U702.20 127.29,49.25 v1(127.23,49.31) 125.71,49.31 ; v1(140.16,27.84) 140.65,27.35 U707.55 145.12,27.35 ; v1(226.56,18.93) 226.56,19.84 226.8,20.08 R278.1 ; v1(124.9,59.5) 125.6,58.8 C701.1 ; U902.1 v1(131.53,112.3) ; U703.20 156.91,31.11 ; U109.46 69.23,70.12 69.21,70.12 68.06,71.27 64.98,71.27 63.81,72.44 U109.30 v1(59.99,72.44) 59.97,72.43 C132.1 ; U907.20 137.25,160.01 136.65,160.62 v1(136.65,164.36) ; 74.96,51.04 v1(74.96,53.26) 74.96,54.43 ; U712.89 v1(116.6,56.7) ; U701.20 125.6,57.77 ; 68.74,8.24 v2(68.75,8.25) ; 130.17,20.56 130.17,21.84 ; U706.20 159.69,42.05 ; U409F1.8 U409F1.7
  Top w0.3: R290.1 R292.1 250.43,101.87 244.5,95.94 244.5,94.31 ; R221.1 223.06,20.06 223.61,19.52 223.61,12.97 222.8,12.17 ; U110.100 40.72,100.09 40.14,99.51 40.14,94.97 v1(40.15,94.96) ; v1(178.51,33.99) 178.52,34 C809.1 ; v1(178.51,33.99) 178.51,33.99 U821.20 ; v1(178.51,33.99) C807.1 ; R277.1 30.75,20.3 v1(30.77,20.31) ; 144.17,66.53 U810.20 142.7,63.62 141.97,62.89 v1(141.97,59.93) ; U811.20 145.87,55.09 v1(146.39,54.57) 146.4,54.56 C814.1 ; v1(234.06,54.19) 234.06,55.79 ; R289.1 100.75,113.83 100.29,114.29 96.68,114.29 96.44,114.53 ; v1(100.18,96.2) 100.17,96.21 C255.2 98.98,99.17 ; 96.44,114.53 96.44,113.7 98.14,112 R288.1 ; 96.44,114.53 C116.1 ; 67.16,7.87 v2(68.75,6.28) 71.12,6.28 ; v1(98.14,51.69) 98.13,51.7 U712.30 ; C802.1 234.05,62.73 v1(234.04,62.72) ; v1(31.43,116.88) 31.93,116.38 U817.20 ; 178.5,24.5 v1(178.5,25.57) 178.89,25.96 C806.1 ; C617.2 71.13,5.49 71.7,4.92 76.7,4.92 77.97,6.19 R227.2 ; U601.3 67.16,6.27 ; U601.3 v2(67.16,10.16) ; U601.3 68.74,8.24 ; C803.1 v1(234.03,79.76) ; C813.1 153.78,16.21 v1(152.25,14.68) ; 14.66,90.32 14.66,87.96 v1(14.63,87.94) C254.2 ; v1(234.07,71.24) 234.06,71.25 C805.1 ; v1(108.63,49.86) 108.62,49.85 U712.57 ; v1(23.08,116.63) 23.48,116.23 U816.20 ; C808.1 v1(178.52,43) ; 67.16,8.54 v2(68.77,10.15)
  Bottom w0.15: U208.20 232.39,129.12 ; C225.2 v1(232.4,130.33)
  Bottom w0.25: v1(84.45,88.96) 80.44,88.96 78.54,87.07 v1(77.09,87.07) 75.87,87.07 ; v1(34.4,87.51) 33.03,87.51 ; v1(114.88,55.62) C721.1 v1(116.6,56.7) ; C722.1 v1(102.25,65.05) 102.25,63.99 101.81,63.55 v1(98.22,63.55) ; 115.29,63.13 v1(115.93,62.49) ; C130.1 69.69,88.01 69.78,88.1 v1(69.78,90.87) ; v1(134.99,111.21) 134.79,111.41 C902.1 ; v1(134.31,139.91) 133.16,139.91 ; 48.54,40.91 47.44,40.91 ; 47.28,28.9 v1(48.52,28.9) ; v1(109.19,66.3) 109.68,65.82 C719.1 ; v1(33.86,104.09) 33.86,102.94 ; v1(155.05,23.05) C812.1 153.79,24.94 ; v1(40.15,94.96) 38.9,94.96 C147.1 ; 133.74,119.77 135.06,119.77 ; v1(135.08,93.77) 133.69,93.77 ; v1(135.08,131.69) 135.07,131.7 C905.1 ; C901.1 v1(134.06,102.61) ; R255.1 v1(206.12,211.41) ; C435.1 43.12,26.44 42.7,26.02 v1(41.58,26.02) ; C128.1 88.07,76.8 v1(86.87,78.01) ; v1(82.62,65.62) 82.31,65.31 75.35,65.31 v1(74.73,65.94) ; v1(23.02,89.59) 24.28,89.59 ; v1(29.35,104.42) 28.67,104.42 27.67,103.42 C148.1
  Bottom w0.3: v1(13.9,102.19) 13.9,102.19 R287.1 ; v1(108.63,49.86) 108.33,49.86 108.09,49.62 103.78,49.62 102.8,50.6 C723.1 v1(101.55,51.5) 101.36,51.69 v1(98.14,51.69) ; C822.2 23.46,116.25 v1(23.08,116.63) ; C823.2 31.42,116.87 v1(31.43,116.88) ; v1(178.51,33.99) 178.51,34 U804.20 ; v1(178.52,43) 178.52,44.07 ; v1(234.07,71.24) 234.07,72.28 ; v1(234.04,62.72) 234.04,63.83 ; v1(152.25,14.68) 152.65,14.27 U809.20 ; 89,115.19 90.6,115.19 91.08,115.67 C116.1 ; U802.20 234.05,54.21 v1(234.06,54.19) ; v1(234.03,79.76) 234.03,80.85
  vias: v1(17.75,45.3) v1(62.89,38.87) v1(65.43,38.87) v1(196.08,146.87)
+3V3SB: length 399.4
  Top w0.2: v1(287.13,211.1) 287.12,210.2
  Top w0.25: U200.5 296.91,96.22 297.2,95.93 v1(297.2,94.02) C223.1
  Top w0.3: 285.45,195.94 v1(286.95,194.44) 287.84,194.44 288.48,193.8 288.48,193.19 ; U227.100 272.31,211.88 v1(272.29,211.86) ; U227.19 272.73,201.2 v1(273.61,202.08) ; v1(270.04,206.7) 270.04,205.64 270.48,205.2 U227.11 ; U227.21 U227.22 270.24,199.7 v1(270.21,199.72) 269.52,199.72 269.33,199.53 268.42,199.53 268.42,197.97 267.2,196.76 D203.2 ; 275.25,192.97 275.25,194.2 v1(275.26,194.21) 274.45,195.02 U227.28 ; C211.1 268.41,199.53
  Top w0.5: 299.25,161.37 U600.2
  Top w2: U600.2 296.37,172.95 CN227.1
  In3.Cu w1: CN206.2 214.89,189.6 220.39,195.1 244.2,195.1 245.24,196.14 269.15,196.14 270.38,197.37 271.48,197.37
  Bottom w0.2: C206.1 287.12,211.11
  Bottom w0.25: 303.51,94.02 v1(297.2,94.02)
  Bottom w0.3: C228.1 v1(270.04,206.7) ; v1(273.61,202.08) 273.61,203.11 ; C208.1 v1(272.29,211.86) ; C210.1 286.93,193.13 ; C209.1 286.94,194.43 ; v1(286.43,173.82) 285.21,172.6 R224.1 ; R202.1 272.35,213.26
  Bottom w2: CN227.1 298.38,175.05 303.51,169.92 303.51,22.63 282.13,1.25 208.39,1.25 204.86,4.78 CN200.c21
